# Altium PCB x_pmu_board.pcbdoc (part 1 of 3) (continued)
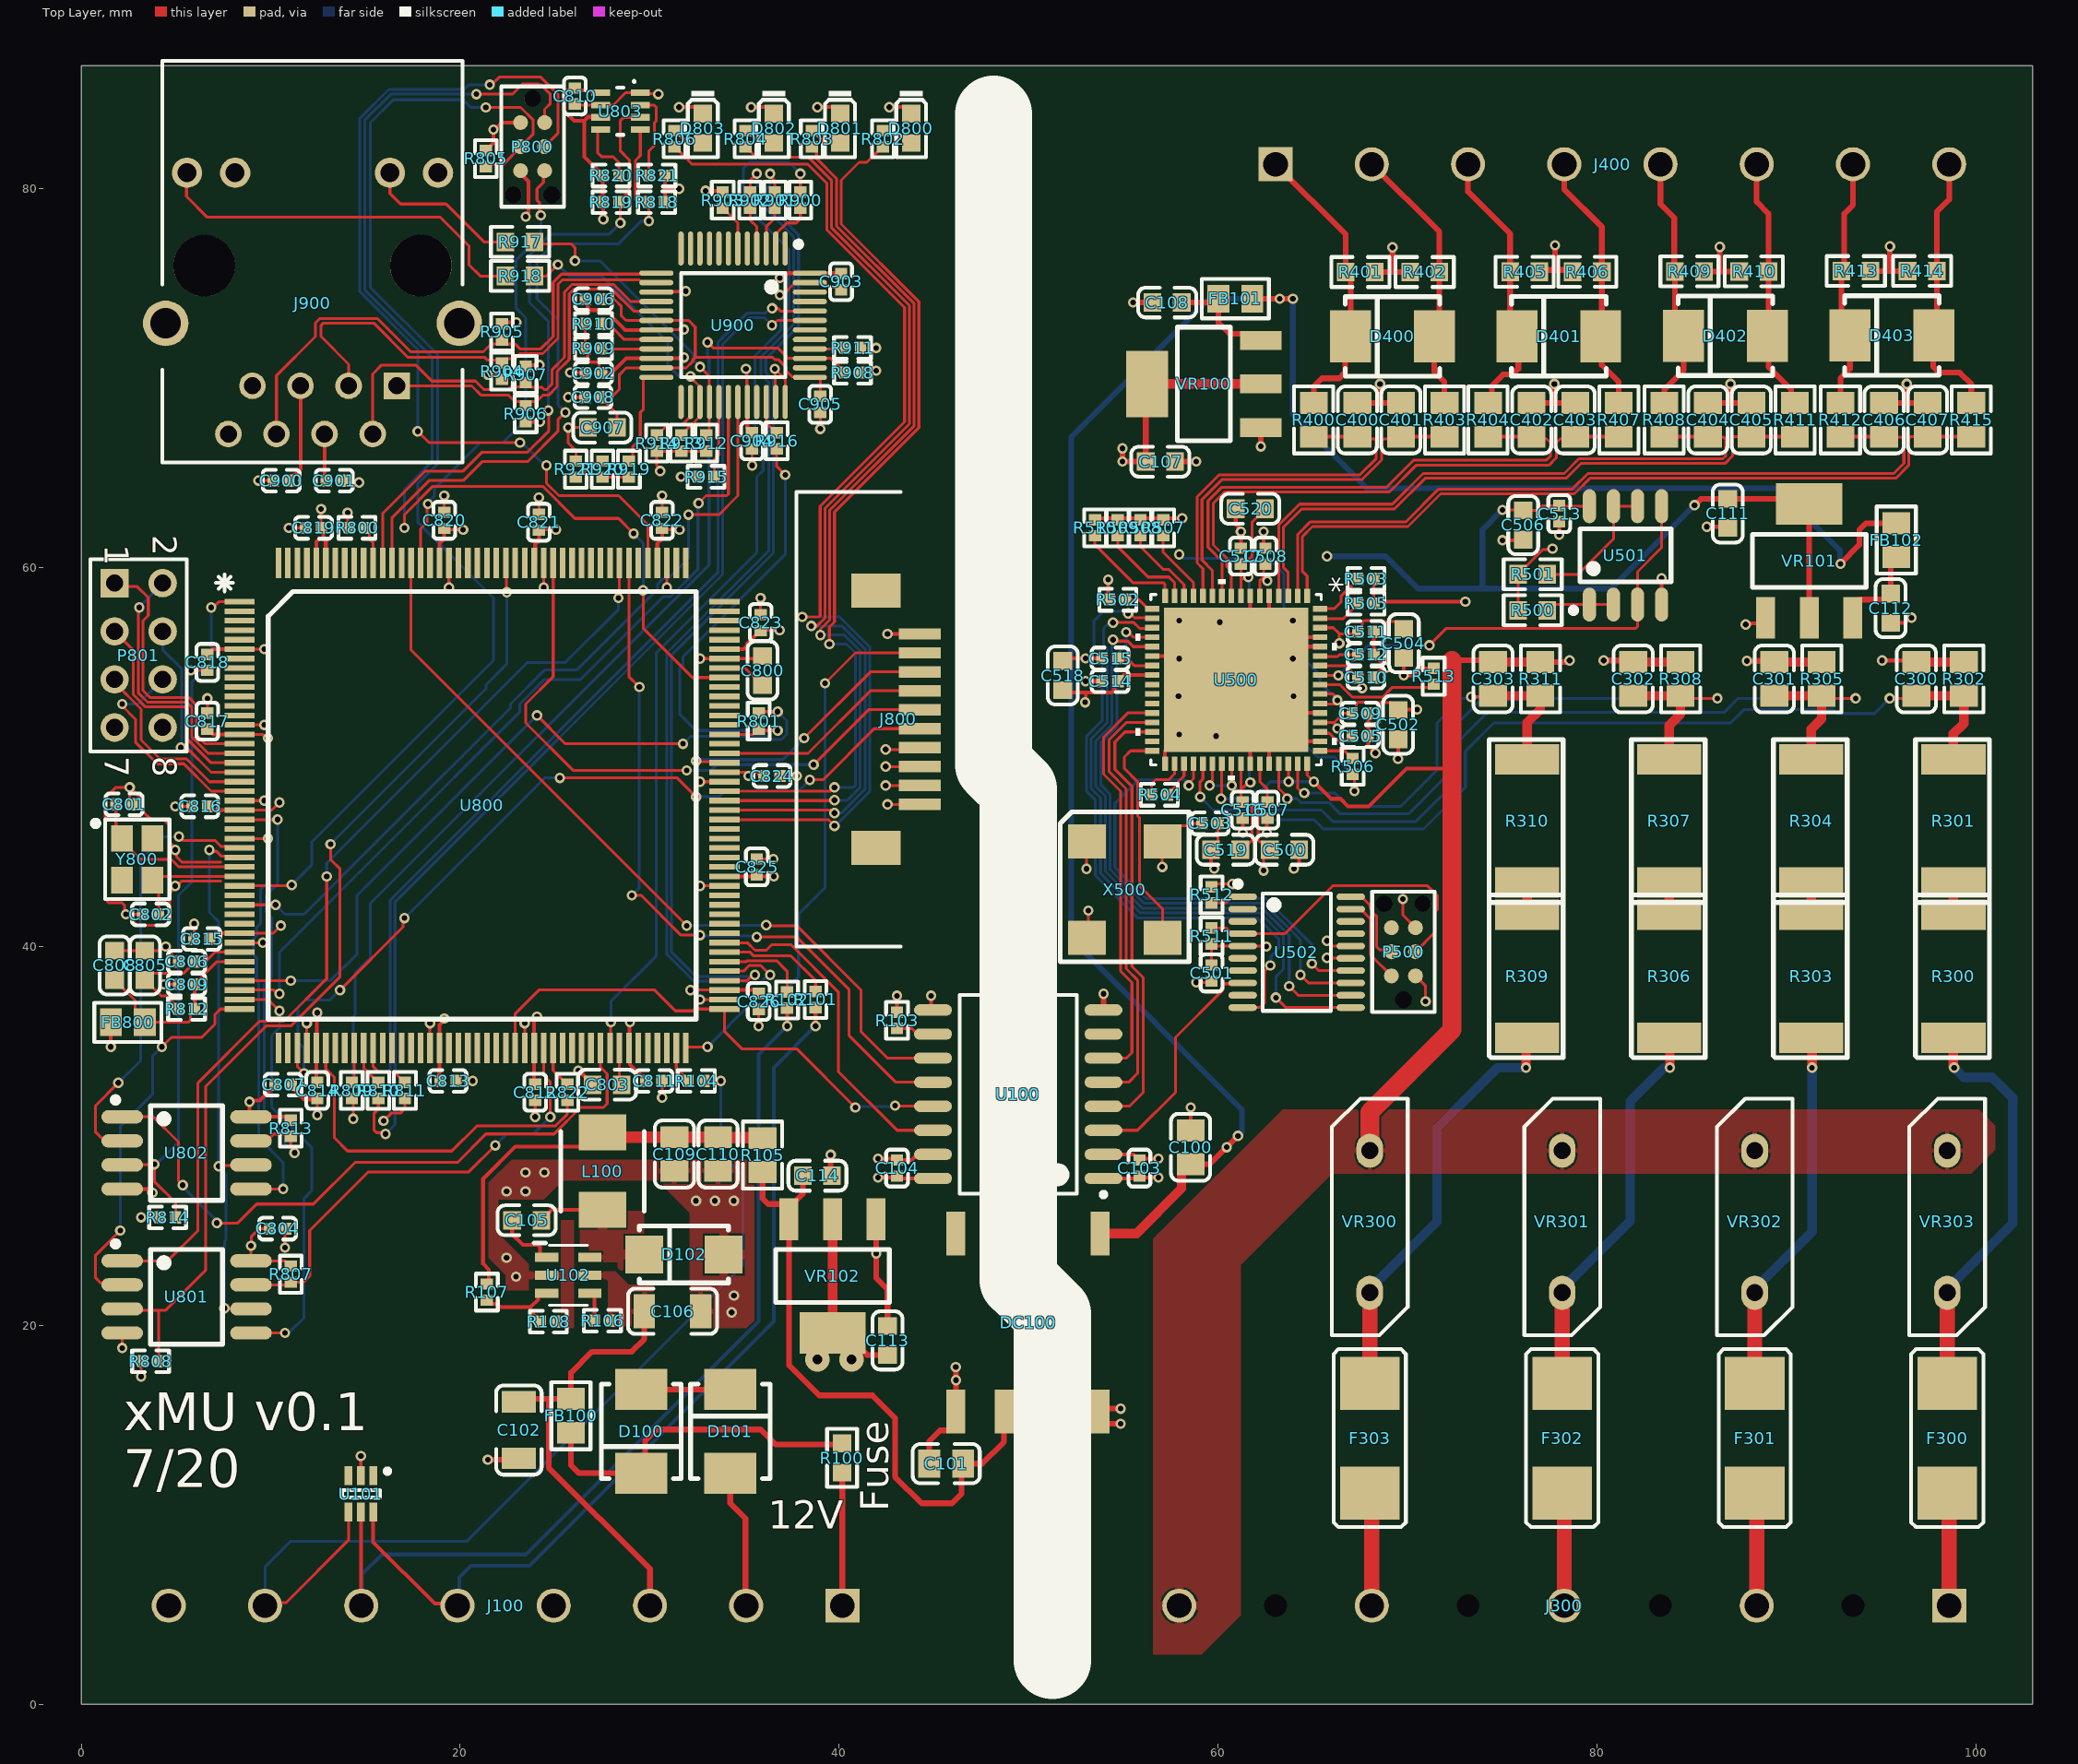
[diagram p0: Top Layer view]
## Design rules (kind name [scope] priority, off if disabled: settings)
BoardOutlineClearance [All] p1: gap=0.2 ignorepadtopadclearanceinfootprint=FALSE
Clearance Clearance_HV [InNetClass('HV')] p1: gap=1.5 ignorepadtopadclearanceinfootprint=FALSE
Clearance [All] p2: gap=0.102 ignorepadtopadclearanceinfootprint=FALSE except(0.127: Arc-Via Track-Via SMDPad-Via THPad-Via Via-Via Via-Fill Via-Poly Via-Region Via-Text; 0.25: Arc-Hole Track-Hole SMDPad-Hole THPad-Hole Via-Hole Fill-Hole Poly-Hole Region-Hole Text-Hole)
ComponentClearance [All] p1: gap=0.102 collisioncheckmode=3 verticalgap=0.102 showdistances=TRUE
DiffPairsRouting [All] p1: maxlimit=0.102 minlimit=0.102 mostfreqgap=0.102 toplayer_minwidth=0.102 toplayer_maxwidth=1816.048 toplayer_prefwidth=0.102 midlayer1_minwidth=0.102 midlayer1_maxwidth=1816.048 midlayer1_prefwidth=0.102 midlayer2_minwidth=0.102 midlayer2_maxwidth=1816.048 midlayer2_prefwidth=0.102 bottomlayer_minwidth=0.102 bottomlayer_maxwidth=1816.048 bottomlayer_prefwidth=0.102 maxuncoupledlength=12.7
Height [All] p1: minheight=0 maxheight=1816.048 prefheight=12.7
HoleSize [All] p1: absolutevalues=TRUE maxlimit=6.3 minlimit=0.2 maxpercent=80.000 minpercent=20.000
HoleToHoleClearance [All] p1: gap=0.25 allowstackedmicrovias=FALSE
MatchedLengths MatchedLengths_QSPI_FLASH [InNetClass('QSPI_FLASH')] p1: tolerance=0.5 checknetsindiffpair=FALSE checkdiffpairvsdiffpair=TRUE checkxsignals=TRUE checkothers=TRUE
MatchedLengths MatchedLengths_PSRAM [InNetClass('PSRAM')] p2: tolerance=0.5 checknetsindiffpair=FALSE checkdiffpairvsdiffpair=TRUE checkxsignals=TRUE checkothers=TRUE
MatchedLengths MatchedLengths_FPGA_SPI [InNetClass('FPGA_Main_SPI')] p3: tolerance=0.5 checknetsindiffpair=FALSE checkdiffpairvsdiffpair=TRUE checkxsignals=TRUE checkothers=TRUE
MatchedLengths MatchedLengths_ADC_DOUT [InNetClass('PSRAM')] p4: tolerance=0.5 checknetsindiffpair=FALSE checkdiffpairvsdiffpair=TRUE checkxsignals=TRUE checkothers=TRUE
MinimumAnnularRing [All] p1: minimumring=0.076
MinimumSolderMaskSliver [All] p1: minsoldermaskwidth=0
PlaneClearance [All] p1: clearance=0.102
PlaneConnect PlaneConnectPowerPads [InPadClass('PowerPads')] p1: planeconnectstyle=Direct reliefexpansion=0.508 reliefentries=4 reliefconductorwidth=0.254 reliefairgap=0.254
PlaneConnect [All] p2: pad.planeconnectstyle=Relief pad.reliefexpansion=0.3 pad.reliefentries=4 pad.reliefconductorwidth=0.102 pad.reliefairgap=0.102 via.planeconnectstyle=Direct via.reliefexpansion=0.3 via.reliefentries=4 via.reliefconductorwidth=0.127 via.reliefairgap=0.127
PolygonConnect PolygonConnectPowerPads [All vs IsPad AND (AsMils(PadXSize_AllLayers) > 60) AND (AsMils(PadYSize_AllLayers) > 60)] p1: connectstyle=Relief reliefconductorwidth=0.5 reliefentries=4 polygonreliefangle="90 Angle" airgapwidth=0.102
PolygonConnect [All] p2: thpad.connectstyle=Relief thpad.reliefconductorwidth=0.254 thpad.reliefentries=4 thpad.polygonreliefangle="90 Angle" thpad.airgapwidth=0.102 smdpad.connectstyle=Relief smdpad.reliefconductorwidth=0.254 smdpad.reliefentries=4 smdpad.polygonreliefangle="90 Angle" smdpad.airgapwidth=0.102 via.connectstyle=Direct via.reliefconductorwidth=0.127 via.reliefentries=4 via.polygonreliefangle="90 Angle" via.airgapwidth=0.127
RoutingVias [All] p1: holewidth=0.2 width=0.45 viastyle="Through Hole" minholewidth=0.2 minwidth=0.45 maxholewidth=6.3 maxwidth=6.55
SilkToSilkClearance [All] p1: silktosilkclearance=0
SilkToSolderMaskClearance [IsPad] p1: minsilkscreentomaskgap=0.102 clearancetoexposedcopper=TRUE
SolderMaskExpansion [All] p1: expansion=0.075 istentingtop=FALSE
Width [All] p1: maxlimit=1816.048 minlimit=0.102 preferedwidth=0.102
20 further rules are at their usual default settings.

## Classes and differential pairs
net class HV: Line-L1 Line-L2 Line-L3 Line-Neu
component class "[10] - Isolation": C100 C101 C102 C103 C104 C105 C106 C107 C108 C109 C110 C111 C112 C113 C114 D100 D101 D102 DC100 FB100 FB101 FB102 J100 L100 R100 R101 R102 R103 R104 R105 R106 R107 R108 U2 U100 U101 U102 VR100 VR101 VR102
component class "[09] - Ethernet": C900 C901 C902 C903 C904 C905 C906 C907 C908 J900 R900 R901 R902 R903 R904 R905 R906 R907 R908 R909 R910 R911 R912 R913 R914 R915 R916 R917 R918 R919 R920 R921 U900
component class "[08] - Microcontroller": C800 C801 C802 C803 C804 C805 C806 C807 C808 C809 C810 C811 C812 C813 C814 C815 C816 C817 C818 C819 C820 C821 C822 C823 C824 C825 C826 D800 D801 D802 D803 FB800 J800 P800 P801 R800 R801 R802 R803 R804 R805 R806 R807 R808 R809 R810 R811 R812 R813 R814 R818 R819 R820 R821 R822 U800 U801 U802 U803 Y800
component class "[05] - ADC": C500 C501 C502 C503 C504 C505 C506 C507 C508 C509 C510 C511 C512 C513 C514 C515 C516 C517 C518 C519 C520 P500 R500 R501 R502 R503 R504 R505 R506 R507 R508 R509 R510 R511 R512 R513 U500 U501 U502 X500
component class "[04] - Current Transformers": C400 C401 C402 C403 C404 C405 C406 C407 D400 D401 D402 D403 J400 R400 R401 R402 R403 R404 R405 R406 R407 R408 R409 R410 R411 R412 R413 R414 R415
component class "[03] - HV Input": C300 C301 C302 C303 F300 F301 F302 F303 J300 R300 R301 R302 R303 R304 R305 R306 R307 R308 R309 R310 R311 VR300 VR301 VR302 VR303

## Components (designator, comment, footprint, x,y, rotation, side; value= is the part's Value field where it differs from the comment)
C100 "100nF(104) 10% 50V" 0805_C 58.555,29.4 r270 top
C101 "100nF(104) 10% 50V" 0805_C 45.655,12.7 r0 top
C102 "10uF (106) 10% 50V" 1206_C 23.095,14.47 r90 top
C103 "100nF (104) 10% 16V" 0402_C 55.855,28.3 r270 top
C104 "100nF (104) 10% 16V" 0402_C 43.055,28.3 r270 top
C105 "100nF (104) 10% 50V" 0603_C 23.508,25.542 r180 top
C106 "4.7uF (475) 10% 50V" 1206_C 31.208,20.742 r180 top
C107 "1uF (105) 10% 50V" 0603_C 56.955,65.6 r180 top
C108 "100nF (104) 10% 50V" 0603_C 57.315,74 r0 top
C109 "10uF (106) 10% 25V" 0805_C 31.308,29.042 r90 top
C110 "10uF (106) 10% 25V" 0805_C 33.608,29.042 r90 top
C111 "1uF (105) 10% 50V" 0603_C 86.905,62.86 r90 top
C112 "100nF (104) 10% 50V" 0603_C 95.505,57.86 r90 top
C113 "1uF (105) 10% 50V" 0603_C 42.555,19.2 r270 top
C114 "100nF (104) 10% 50V" 0603_C 38.855,27.9 r180 top
C300 "10nF (103) 10% 50V" 0805_C 96.865,54.125 r270 top
C301 "10nF (103) 10% 50V" 0805_C 89.365,54.125 r270 top
C302 "10nF (103) 10% 50V" 0805_C 81.915,54.125 r270 top
C303 "10nF (103) 10% 50V" 0805_C 74.515,54.125 r270 top
C400 "10nF (103) 10% 50V" 0805_C 67.355,67.8 r270 top
C401 "10nF (103) 10% 50V" 0805_C 69.655,67.8 r90 top
C402 "10nF (103) 10% 50V" 0805_C 76.555,67.8 r270 top
C403 "10nF (103) 10% 50V" 0805_C 78.855,67.8 r90 top
C404 "10nF (103) 10% 50V" 0805_C 85.855,67.8 r270 top
C405 "10nF (103) 10% 50V" 0805_C 88.155,67.8 r90 top
C406 "10nF (103) 10% 50V" 0805_C 95.155,67.8 r270 top
C407 "10nF (103) 10% 50V" 0805_C 97.455,67.8 r90 top
C500 "1uF (105) 10% 50V" 0603_C 63.505,45.107 r0 top
C501 "100nF (104) 10% 16V" 0402_C 59.655,38.6 r90 top
C502 "1uF (105) 10% 50V" 0603_C 69.505,51.707 r270 top
C503 "100nF (104) 10% 16V" 0402_C 59.58,46.5 r180 top
C504 "1uF (105) 10% 50V" 0603_C 69.805,56.007 r270 top
C505 "100nF (104) 10% 16V" 0402_C 67.505,51.107 r180 top
C506 "1uF (105) 10% 50V" 0603_C 76.11,62.25 r270 top
C507 "100nF (104) 10% 16V" 0402_C 62.605,47.207 r270 top
C508 "100nF (104) 10% 16V" 0402_C 62.505,60.607 r270 top
C509 "100nF (104) 10% 16V" 0402_C 67.505,52.307 r0 top
C510 "100nF (104) 10% 16V" 0402_C 67.805,54.207 r180 top
C511 "100nF (104) 10% 16V" 0402_C 67.805,56.607 r0 top
C512 "100nF (104) 10% 16V" 0402_C 67.805,55.407 r180 top
C513 "100nF (104) 10% 16V" 0402_C 78.01,62.85 r270 top
C514 "100nF (104) 10% 16V" 0402_C 54.305,54.007 r180 top
C515 "100nF (104) 10% 16V" 0402_C 54.305,55.207 r0 top
C516 "100nF (104) 10% 16V" 0402_C 61.305,47.207 r270 top
C517 "100nF (104) 10% 16V" 0402_C 61.205,60.607 r270 top
C518 "1uF (105) 10% 50V" 0603_C 51.805,54.307 r90 top
C519 "1uF (105) 10% 50V" 0603_C 60.405,45.107 r180 top
C520 "1uF (105) 10% 50V" 0603_C 61.705,63.107 r0 top
C800 "2.2uF (225) 10% 16V" 0603_C 35.955,54.57 r90 top
C801 "15pF (150) 5% 50V" 0402_C 2.255,47.5 r180 top
C802 "15pF (150) 5% 50V" 0402_C 3.655,41.7 r0 top
C803 "2.2uF (225) 10% 16V" 0603_C 27.755,32.7 r180 top
C804 "100nF (104) 10% 16V" 0402_C 10.355,25.1 r180 top
C805 "1uF (105) 10% 50V" 0603_C 3.355,39 r270 top
C806 "100nF (104) 10% 16V" 0402_C 5.555,39.2 r0 top
C807 "100nF (104) 10% 16V" 0402_C 10.655,32.7 r180 top
C808 "1uF (105) 10% 50V" 0603_C 1.755,39 r90 top
C809 "100nF (104) 10% 16V" 0402_C 5.555,38 r180 top
C810 "100nF (104) 10% 16V" 0402_C 26.055,84.9 r90 top
C811 "100nF (104) 10% 16V" 0402_C 30.23,32.9 r180 top
C812 "100nF (104) 10% 16V" 0402_C 23.955,32.3 r90 top
C813 "100nF (104) 10% 16V" 0402_C 19.355,32.9 r180 top
C814 "100nF (104) 10% 16V" 0402_C 12.455,32.4 r90 top
C815 "100nF (104) 10% 16V" 0402_C 6.355,40.4 r0 top
C816 "100nF (104) 10% 16V" 0402_C 6.255,47.4 r0 top
C817 "100nF (104) 10% 16V" 0402_C 6.655,51.9 r270 top
C818 "100nF (104) 10% 16V" 0402_C 6.655,55 r90 top
C819 "100nF (104) 10% 16V" 0402_C 12.255,62.1 r0 top
C820 "100nF (104) 10% 16V" 0402_C 19.155,62.5 r270 top
C821 "100nF (104) 10% 16V" 0402_C 24.155,62.4 r270 top
C822 "100nF (104) 10% 16V" 0402_C 30.655,62.5 r270 top
C823 "100nF (104) 10% 16V" 0402_C 35.855,57.1 r270 top
C824 "100nF (104) 10% 16V" 0402_C 36.455,49 r180 top
C825 "100nF (104) 10% 16V" 0402_C 35.655,44.2 r270 top
C826 "100nF (104) 10% 16V" 0402_C 35.755,37.1 r90 top
C900 "100nF (104) 10% 16V" 0402_C 10.555,64.6 r0 top
C901 "100nF (104) 10% 16V" 0402_C 13.355,64.6 r180 top
C902 "100nF (104) 10% 16V" 0402_C 27.03,70.275 r0 top
C903 "100nF (104) 10% 16V" 0402_C 40.105,75.1 r90 top
C904 "100nF (104) 10% 16V" 0402_C 35.405,66.7 r90 top
C905 "100nF (104) 10% 16V" 0402_C 39.005,68.625 r90 top
C906 "100nF (104) 10% 16V" 0402_C 27.03,74.175 r0 top
C907 "10uF (106) 10% 10V" 0603_C 27.505,67.4 r0 top
C908 "100nF (104) 10% 16V" 0402_C 27.005,69 r0 top
D100 "P6SMB6.8CA" SMB(DO-214AA)_S1 29.555,14.4 r90 top
D101 "P6SMB6.8CA" SMB(DO-214AA)_S1 34.255,14.4 r270 top
D102 "SS54" SMA(DO-214AC)_S1 31.808,23.742 r0 top
D400 "P6SMB6.8CA" SMB(DO-214AA)_S1 69.21,72.21 r0 top
D401 "P6SMB6.8CA" SMB(DO-214AA)_S1 77.99,72.22 r0 top
D402 "P6SMB6.8CA" SMB(DO-214AA)_S1 86.785,72.24 r0 top
D403 "P6SMB6.8CA" SMB(DO-214AA)_S1 95.57,72.26 r0 top
D800 "红灯 0603" 0603_LED_S1 43.805,83.2 r270 top
D801 "红灯 0603" 0603_LED_S1 40.055,83.2 r270 top
D802 "绿灯 0603" 0603_LED_S1 36.555,83.2 r270 top
D803 "绿灯 0603" 0603_LED_S1 32.805,83.2 r270 top
DC100 "5V to 5V 3kVDC Isolated converter" NXE1S0505MC-R7 46.165,15.45 r0 top
F300 "AF2-0.50V125TM" "2410 Fuse" 98.49,14.04 r90 top
F301 "AF2-0.50V125TM" "2410 Fuse" 88.33,14.04 r90 top
F302 "AF2-0.50V125TM" "2410 Fuse" 78.17,14.04 r90 top
F303 "AF2-0.50V125TM" "2410 Fuse" 68.01,14.04 r90 top
FB100 "100Ω ±25% 100MHz" 0805_L 25.845,15.22 r270 top
FB101 "600Ω ±25% 100MHz" 0805_L 60.915,74.2 r180 top
FB102 "600Ω ±25% 100MHz" 0805_L 95.805,61.46 r270 top
FB800 "600Ω ±25% 100MHz" 0805_L 2.455,36 r0 top
J100 "CN-2P-F-R_8" PHOE-8way 22.395,5.2 r180 top
J300 "CN-2P-F-R" PHOE-1729128-2_V 80.815,5.2 r180 top locked
J400 "CN-2P-F-R_8" PHOE-8way 80.815,81.3 r0 top locked
J800 "10pin 10mm FFC" AFA07-S10FCC-00 44.255,47.5 r90 top
J900 "HR913550A" "RJ45 MagJack" 12.205,75.95 r0 top
L100 "MWSA0518S-6R8MT" MWSA0518 27.508,28.142 r90 top value=6.8uH
P500 "tag_connect_TC2030" TC2030-MCP-NL#1 69.79,37.18 r90 top
P800 "tag_connect_TC2030" TC2030-MCP-NL#2 23.82,84.77 r270 top
P801 "DebugIO" HDR2X4 1.755,59.18 r270 top
R100 "0Ω (0R0) ±1%" 0603_R 40.155,13 r270 top
R101 "49.9Ω (49R9) ±1%" 0402_R 38.755,37.2 r270 top
R102 "49.9Ω (49R9) ±1%" 0402_R 37.255,37.175 r270 top
R103 "1KΩ (1001) ±1%" 0402_R 43.055,36.1 r90 top
R104 "49.9Ω (49R9) ±1%" 0402_R 32.455,32.9 r0 top
R105 "0Ω (0R0) ±1%" 0805_R 35.955,28.99 r270 top
R106 "100KΩ (1003) ±1%" 0402_R 27.508,20.242 r0 top
R107 "49.9KΩ (4992) ±1%" 0402_R 21.408,21.752 r90 top
R108 "10KΩ (1002) ±1%" 0402_R 24.655,20.2 r0 top
R300 "560k" 2512_HV_RES 98.815,38.425 r90 top
R301 "560k" 2512_HV_RES 98.815,46.625 r90 top
R302 "2KΩ (2001) ±1%" 0805_R 99.365,54.125 r270 top
R303 "560k" 2512_HV_RES 91.315,38.425 r90 top
R304 "560k" 2512_HV_RES 91.315,46.625 r90 top
R305 "2KΩ (2001) ±1%" 0805_R 91.865,54.125 r270 top
R306 "560k" 2512_HV_RES 83.815,38.425 r90 top
R307 "560k" 2512_HV_RES 83.815,46.625 r90 top
R308 "2KΩ (2001) ±1%" 0805_R 84.415,54.125 r270 top
R309 "560k" 2512_HV_RES 76.315,38.425 r90 top
R310 "560k" 2512_HV_RES 76.315,46.625 r90 top
R311 "2KΩ (2001) ±1%" 0805_R 77.015,54.125 r270 top
R400 "2KΩ (2001) ±1%" 0805_R 65.055,67.8 r90 top
R401 "33Ω (33R0) ±1%" 0603_R 67.51,75.61 r180 top
R402 "33Ω (33R0) ±1%" 0603_R 70.91,75.61 r180 top
R403 "2KΩ (2001) ±1%" 0805_R 71.955,67.8 r90 top
R404 "2KΩ (2001) ±1%" 0805_R 74.255,67.8 r90 top
R405 "33Ω (33R0) ±1%" 0603_R 76.19,75.62 r180 top
R406 "33Ω (33R0) ±1%" 0603_R 79.49,75.62 r180 top
R407 "2KΩ (2001) ±1%" 0805_R 81.155,67.8 r90 top
R408 "2KΩ (2001) ±1%" 0805_R 83.555,67.8 r90 top
R409 "33Ω (33R0) ±1%" 0603_R 84.885,75.64 r180 top
R410 "33Ω (33R0) ±1%" 0603_R 88.285,75.64 r180 top
R411 "2KΩ (2001) ±1%" 0805_R 90.455,67.8 r90 top
R412 "2KΩ (2001) ±1%" 0805_R 92.855,67.8 r90 top
R413 "33Ω (33R0) ±1%" 0603_R 93.67,75.66 r180 top
R414 "33Ω (33R0) ±1%" 0603_R 97.17,75.66 r180 top
R415 "2KΩ (2001) ±1%" 0805_R 99.755,67.8 r90 top
R500 "47Ω (47R0) ±1%" 0603_R 76.61,57.75 r180 top
R501 "47Ω (47R0) ±1%" 0603_R 76.61,59.65 r180 top
R502 "1KΩ (1001) ±1%" 0402_R 54.705,58.307 r180 top
R503 "1KΩ (1001) ±1%" 0402_R 67.805,59.407 r180 top
R504 "0Ω (0R0) ±1%" 0402_R 56.905,48.007 r0 top
R505 "1KΩ (1001) ±1%" 0402_R 67.805,58.107 r180 top
R506 "0Ω (0R0) ±1%" 0402_R 67.105,49.507 r90 top
R507 "1KΩ (1001) ±1%" 0402_R 57.105,62.107 r90 top
R508 "1KΩ (1001) ±1%" 0402_R 55.905,62.107 r90 top
R509 "1KΩ (1001) ±1%" 0402_R 54.705,62.107 r90 top
R510 "1KΩ (1001) ±1%" 0402_R 53.505,62.107 r90 top
R511 "1KΩ (1001) ±1%" 0402_R 59.655,40.55 r270 top
R512 "1KΩ (1001) ±1%" 0402_R 59.655,42.725 r270 top
R513 "1KΩ (1001) ±1%" 0402_R 71.385,54.27 r90 top
R800 "1KΩ (1001) ±1%" 0402_R 14.555,62.1 r180 top
R801 "0Ω (0R0) ±1%" 0402_R 35.755,51.9 r90 top
R802 "150Ω (1500) ±1%" 0402_R 42.305,82.64 r270 top
R803 "150Ω (1500) ±1%" 0402_R 38.555,82.64 r270 top
R804 "150Ω (1500) ±1%" 0402_R 35.055,82.64 r270 top
R805 "4.7KΩ (4701) ±1%" 0402_R 21.355,81.6 r90 top
R806 "150Ω (1500) ±1%" 0402_R 31.305,82.64 r270 top
R807 "4.7KΩ (4701) ±1%" 0402_R 11.055,22.7 r90 top
R808 "4.7KΩ (4701) ±1%" 0402_R 3.655,18.1 r0 top
R809 "49.9Ω (49R9) ±1%" 0402_R 14.28,32.4 r90 top
R810 "49.9Ω (49R9) ±1%" 0402_R 15.68,32.4 r90 top
R811 "49.9Ω (49R9) ±1%" 0402_R 17.08,32.4 r90 top
R812 "47Ω (47R0) ±1%" 0402_R 5.555,36.7 r180 top
R813 "4.7KΩ (4701) ±1%" 0402_R 11.055,30.4 r90 top
R814 "4.7KΩ (4701) ±1%" 0402_R 4.555,25.7 r0 top
R818 "4.7KΩ (4701) ±1%" 0402_R 30.362,79.3 r180 top
R819 "4.7KΩ (4701) ±1%" 0402_R 27.955,79.3 r0 top
R820 "4.7KΩ (4701) ±1%" 0402_R 27.955,80.7 r0 top
R821 "4.7KΩ (4701) ±1%" 0402_R 30.38,80.7 r180 top
R822 "0Ω (0R0) ±1%" 0402_R 25.655,32.3 r90 top
R900 "49.9Ω (49R9) ±1%" 0402_R 37.955,79.4 r270 top
R901 "49.9Ω (49R9) ±1%" 0402_R 36.605,79.4 r270 top
R902 "49.9Ω (49R9) ±1%" 0402_R 35.305,79.4 r270 top
R903 "1KΩ (1001) ±1%" 0402_R 33.855,79.4 r270 top
R904 "49.9Ω (49R9) ±1%" 0402_R 22.205,70.375 r270 top
R905 "49.9Ω (49R9) ±1%" 0402_R 22.205,72.45 r90 top
R906 "49.9Ω (49R9) ±1%" 0402_R 23.455,68.125 r270 top
R907 "49.9Ω (49R9) ±1%" 0402_R 23.455,70.2 r90 top
R908 "1KΩ (1001) ±1%" 0402_R 40.705,70.3 r180 top
R909 "2.2KΩ (2201) ±1%" 0402_R 27.03,71.575 r180 top
R910 "2.2KΩ (2201) ±1%" 0402_R 27.03,72.875 r180 top
R911 "1KΩ (1001) ±1%" 0402_R 40.705,71.6 r180 top
R912 "2.2KΩ (2201) ±1%" 0402_R 32.98,66.575 r270 top
R913 "2.2KΩ (2201) ±1%" 0402_R 31.68,66.575 r270 top
R914 "2.2KΩ (2201) ±1%" 0402_R 30.38,66.575 r270 top
R915 "1KΩ (1001) ±1%" 0402_R 32.98,64.8 r0 top
R916 "49.9Ω (49R9) ±1%" 0402_R 36.705,66.7 r90 top
R917 "330Ω (3300) ±1%" 0603_R 23.155,77.2 r180 top
R918 "330Ω (3300) ±1%" 0603_R 23.155,75.4 r180 top
R919 "2.2KΩ (2201) ±1%" 0402_R 28.905,65.2 r90 top
R920 "2.2KΩ (2201) ±1%" 0402_R 27.505,65.2 r270 top
R921 "470Ω (4700) ±1%" 0402_R 26.105,65.2 r270 top
U100 "ADUM1400BRWZ" ADI-RW-16_L 49.455,32.2 r180 top
U101 "SMF05CT1G" SC-70-6(SOT-363) 14.755,11.1 r270 top
U102 "STEP-DOWN CONVERTER" *TSOT-23_S6 25.708,22.642 r0 top
U500 "AD7779" CP_64_15 60.955,54.08 r270 top
U501 "MCP6002T-I/SN" SOIC-8_150mil 81.51,60.65 r0 top
U502 "STM32F030F4P6" TSSOP-20 64.155,39.7 r270 top
U800 "STM32H743IIT6" Quad176 8.555,58.2 r0 top
U801 "W25Q128JVSIQTR" SOIC-8_208mil 5.555,21.5 r270 top
U802 "W25Q128JVSIQTR" SOIC-8_208mil 5.555,29.1 r270 top
U803 "BMP280" BOSC-LGA-8_V_LARGE 28.455,84.1 r270 top
U900 "DP83848CVVX" LQFP-48_7x7x05P 34.405,72.8 r180 top
VR100 "AMS1117-3.3" SOT-223 59.255,69.7 r0 top
VR101 "AMS1117-3.3" SOT-223 91.205,60.36 r270 top
VR102 "AMS1117-3.3" SOT-223 39.655,22.6 r90 top
VR300 "VDR-10D561K(11D)" VDR-10D561K(11D) 68.01,25.47 r270 top
VR301 "VDR-10D561K(11D)" VDR-10D561K(11D) 78.17,25.47 r270 top
VR302 "VDR-10D561K(11D)" VDR-10D561K(11D) 88.33,25.47 r270 top
VR303 "VDR-10D561K(11D)" VDR-10D561K(11D) 98.49,25.47 r270 top
X500 "8.192MHZ" "7050 Clock" 55.075,43 r270 top
Y800 "25MHZ 12PF 10PPM" SMD-3225_4P 2.955,44.6 r270 top

## Footprints (in the part's own frame and the unit in brackets; to place one, negate y for a bottom-side part, rotate by r counter-clockwise, add the part's x,y. Pads: shape width x height; smd on the part's side, far side on the other; paste and mask are expansions set on the pad)
0402_C [mm]
  rect 0.6x0.65 smd mask+0.051: 1(-0.425,0) 2(0.425,0)
  silkscreen extent -0.97,-0.58 0.97,0.58, body extent -0.48,-0.3 0.52,0.3, height 0.2
0402_R [mm]
  rect 0.6x0.65 smd mask+0.051: 1(-0.425,0) 2(0.425,0)
  silkscreen extent -0.97,-0.58 0.97,0.58, body extent -0.57,-0.27 0.58,0.28, height 0.41
0603_C [mm]
  rect 0.93x0.98 smd: 1(-0.77,0) 2(0.77,0)
  silkscreen extent -1.53,-0.79 1.54,0.79, body extent -0.8,-0.4 0.8,0.4, height 0.3
0603_LED_S1 [mm]
  rect 0.93x0.98 smd: A(0.77,0) K(-0.77,0)
  silkscreen extent -1.98,-0.79 1.54,0.79, body extent -0.8,-0.4 0.8,0.4, height 0.6
0603_R [mm]
  rect 0.93x0.98 smd: 1(-0.77,0) 2(0.77,0)
  silkscreen extent -1.53,-0.79 1.54,0.79, body extent -0.85,-0.4 0.85,0.4, height 0.56
0805_C [mm]
  rect 1.16x1.47 smd: 1(-0.89,0) 2(0.89,0)
  silkscreen extent -1.77,-1.04 1.77,1.04, body extent -1,-0.62 1,0.63, height 0.77
0805_L [mm]
  rect 1.16x1.47 smd: 1(-0.89,0) 2(0.89,0)
  silkscreen extent -1.77,-1.04 1.77,1.03, body extent -1.02,-0.64 1.03,0.64, height 0.6
0805_R [mm]
  rect 1.16x1.47 smd: 1(-0.89,0) 2(0.89,0)
  silkscreen extent -1.77,-1.04 1.77,1.03, body extent -1,-0.62 1,0.63, height 0.49
1206_C [mm]
  rect 1.13x1.8 smd: 1(-1.49,0) 2(1.49,0)
  silkscreen extent -2.36,-1.2 2.35,1.2, body extent -1.6,-0.81 1.6,0.79, height 1
"2410 Fuse" [mm]
  rect 2.8x3.15 smd: 1(-2.9,0) 2(2.9,0)
  silkscreen extent -4.7,-1.91 4.7,1.91, body extent -3.05,-1.27 3.05,1.27, height 2.58
2512_HV_RES [mm]
  rect 1.6x3.4 smd: 1(-3.25,0) 2(3.25,0)
  silkscreen extent -4.3,-1.9 4.3,2, body extent -3.13,-1.58 3.17,1.57, height 0.67
"7050 Clock" [mm]
  rect 1.8x2 smd: 1(-2.54,-2) 2(2.54,-2) 3(2.54,2) 4(-2.54,2)
  silkscreen extent -4.1,-3.4 3.8,3.4, body extent -3.5,-2.55 3.5,2.55, height 1.3
*TSOT-23_S6 [mil]
  rect 48x20 smd: 1(-45,37.4) 2(-45,0) 3(-45,-37.4) 4(45,-37.4) 5(45,0) 6(45,37.4)
  silkscreen extent -71,-62 40,67, body extent -47,-55 48,55, height 43
ADI-RW-16_L [mm] "SOIC, 16-Leads, Body 10.3x7.5mm, Pitch 1.27mm, IPC High Density"
  oval 2x0.6 smd: 1(-4.5,4.445) 2(-4.5,3.175) 3(-4.5,1.905) 4(-4.5,0.635) 5(-4.5,-0.635) 6(-4.5,-1.905) 7(-4.5,-3.175) 8(-4.5,-4.445) 9(4.5,-4.445) 10(4.5,-3.175) 11(4.5,-1.905) 12(4.5,-0.635) 13(4.5,0.635) 14(4.5,1.905) 15(4.5,3.175) 16(4.5,4.445)
  silkscreen extent -4.63,-5.25 3.1,5.42, body extent -3.8,-5.25 3.8,5.25, height 2.65
AFA07-S10FCC-00 [mm] "10pin 1.0mm FFC Connector"
  rect 0.6x2.2 smd: 1(0,0) 2(1,0) 3(2,0) 4(3,0) 5(4,0) 6(5,0) 7(6,0) 8(7,0) 9(8,0) 10(9,0)
  rect 1.8x2.6 smd: 11(-2.3,2.3) 12(11.3,2.3)
  silkscreen extent -7.5,1 16.5,6.5
BOSC-LGA-8_V_LARGE [mm] "LGA, 8-Leads, Body 2.5x2mm, Pitch 0.65mm"
  rect 0.35x1 smd: 1(-0.975,1.05) 2(-0.325,1.05) 3(0.325,1.05) 4(0.975,1.05) 5(0.975,-1.05) 6(0.325,-1.05) 7(-0.325,-1.05) 8(-0.975,-1.05)
  silkscreen extent -1.64,-0.16 1.25,0.79, body extent -1.25,-1 1.25,1, height 1
CP_64_15 [mm]
  rect 0.755x0.3 smd: 1(-4.427,3.75) 2(-4.427,3.25) 3(-4.427,2.75) 4(-4.427,2.25) 5(-4.427,1.75) 6(-4.427,1.25) 7(-4.427,0.75) 8(-4.427,0.25) 9(-4.427,-0.25) 10(-4.427,-0.75) 11(-4.427,-1.25) 12(-4.427,-1.75) 13(-4.427,-2.25) 14(-4.427,-2.75) 15(-4.427,-3.25) 16(-4.427,-3.75) 33(4.427,-3.75) 34(4.427,-3.25) 35(4.427,-2.75) 36(4.427,-2.25) 37(4.427,-1.75) 38(4.427,-1.25) 39(4.427,-0.75) 40(4.427,-0.25) 41(4.427,0.25) 42(4.427,0.75) 43(4.427,1.25) 44(4.427,1.75) 45(4.427,2.25) 46(4.427,2.75) 47(4.427,3.25) 48(4.427,3.75)
  rect 0.3x0.755 smd: 17(-3.75,-4.427) 18(-3.25,-4.427) 19(-2.75,-4.427) 20(-2.25,-4.427) 21(-1.75,-4.427) 22(-1.25,-4.427) 23(-0.75,-4.427) 24(-0.25,-4.427) 25(0.25,-4.427) 26(0.75,-4.427) 27(1.25,-4.427) 28(1.75,-4.427) 29(2.25,-4.427) 30(2.75,-4.427) 31(3.25,-4.427) 32(3.75,-4.427) 49(3.75,4.427) 50(3.25,4.427) 51(2.75,4.427) 52(2.25,4.427) 53(1.75,4.427) 54(1.25,4.427) 55(0.75,4.427) 56(0.25,4.427) 57(-0.25,4.427) 58(-0.75,4.427) 59(-1.25,4.427) 60(-1.75,4.427) 61(-2.25,4.427) 62(-2.75,4.427) 63(-3.25,4.427) 64(-3.75,4.427)
  rect 7.6x7.6 smd paste-3.787: 65(0,0)
  silkscreen extent -5.31,-5.31 5.31,5.31, body extent 0,0 0.25,0.25, height 0.25
HDR2X4 [mm] "Connector; Header; 4x2 Position"
  rect 1.5x1.5 hole 0.9: 1(0,0)
  round 1.5 hole 0.9: 2(0,2.54) 3(2.54,0) 4(2.54,2.54) 5(5.08,0) 6(5.08,2.54) 7(7.62,0) 8(7.62,2.54)
  silkscreen extent -1.27,-1.27 8.89,3.81
LQFP-48_7x7x05P [mm]
  oval 0.28x1.8 smd mask+0.051: 1(-2.75,-4.05) 2(-2.25,-4.05) 3(-1.75,-4.05) 4(-1.25,-4.05) 5(-0.75,-4.05) 6(-0.25,-4.05) 7(0.25,-4.05) 8(0.75,-4.05) 9(1.25,-4.05) 10(1.75,-4.05) 11(2.25,-4.05) 12(2.75,-4.05) 25(2.75,4.05) 26(2.25,4.05) 27(1.75,4.05) 28(1.25,4.05) 29(0.75,4.05) 30(0.25,4.05) 31(-0.25,4.05) 32(-0.75,4.05) 33(-1.25,4.05) 34(-1.75,4.05) 35(-2.25,4.05) 36(-2.75,4.05)
  oval 1.8x0.28 smd mask+0.051: 13(4.05,-2.75) 14(4.05,-2.25) 15(4.05,-1.75) 16(4.05,-1.25) 17(4.05,-0.75) 18(4.05,-0.25) 19(4.05,0.25) 20(4.05,0.75) 21(4.05,1.25) 22(4.05,1.75) 23(4.05,2.25) 24(4.05,2.75) 37(-4.05,2.75) 38(-4.05,2.25) 39(-4.05,1.75) 40(-4.05,1.25) 41(-4.05,0.75) 42(-4.05,0.25) 43(-4.05,-0.25) 44(-4.05,-0.75) 45(-4.05,-1.25) 46(-4.05,-1.75) 47(-4.05,-2.25) 48(-4.05,-2.75)
  silkscreen extent -3.6,-4.42 2.75,2.75, body extent -4.5,-4.5 4.5,4.5, height 1.6
MWSA0518 [mm]
  rect 1.9x2.5 smd: 1(-2.05,0) 2(2.05,0)
  silkscreen extent -2.1,-2.2 2.1,2.2, body extent -2.1,-2.2 2.1,2.2, height 1.8
NXE1S0505MC-R7 [mm] "Murata DC DC"
  rect 1x2.3 smd: 1(0,0) 3(2.54,0) 7(7.62,0) 8(7.62,9.398) 14(0,9.398)
  body extent -2.54,-0.38 10.16,10.03, height 4.48
PHOE-8way [mm] "Receptacle, 2-Leads, Body 8.1x10.16mm, Pitch 5.08mm"
  rect 1.8x1.8 hole 1.3: 1(-17.78,0)
  round 1.8 hole 1.3: 2(-12.7,0) 3(-7.62,0) 4(-2.54,0) 5(2.54,0) 6(7.62,0) 7(12.7,0) 8(17.78,0)
  body extent -20.33,-4.05 20.88,4.05, height 10.02
PHOE-1729128-2_V [mm] "Receptacle, 2-Leads, Body 8.1x10.16mm, Pitch 5.08mm"
  rect 1.8x1.8 hole 1.3: 1(-17.78,0)
  round 1.8 hole 1.3: 2(-7.62,0) 3(2.54,0) 4(12.7,0) 5(22.86,0)
  round 0 hole 1.2 unplated: 12(-12.7,0) 13(-2.54,0) 14(7.62,0) 15(17.78,0)
  body extent -20.34,-4 25.95,4.1, height 10.02
Quad176 [mm]
  rect 1.6x0.3 smd: 1(-0.2,0) 2(-0.2,-0.5) 3(-0.2,-1) 4(-0.2,-1.5) 5(-0.2,-2) 6(-0.2,-2.5) 7(-0.2,-3) 8(-0.2,-3.5) 9(-0.2,-4) 10(-0.2,-4.5) 11(-0.2,-5) 12(-0.2,-5.5) 13(-0.2,-6) 14(-0.2,-6.5) 15(-0.2,-7) 16(-0.2,-7.5) 17(-0.2,-8) 18(-0.2,-8.5) 19(-0.2,-9) 20(-0.2,-9.5) 21(-0.2,-10) 22(-0.2,-10.5) 23(-0.2,-11) 24(-0.2,-11.5) 25(-0.2,-12) 26(-0.2,-12.5) 27(-0.2,-13) 28(-0.2,-13.5) 29(-0.2,-14) 30(-0.2,-14.5) 31(-0.2,-15) 32(-0.2,-15.5) 33(-0.2,-16) 34(-0.2,-16.5) 35(-0.2,-17) 36(-0.2,-17.5) 37(-0.2,-18) 38(-0.2,-18.5) 39(-0.2,-19) 40(-0.2,-19.5) 41(-0.2,-20) 42(-0.2,-20.5) 43(-0.2,-21) 44(-0.2,-21.5) 89(25.4,-21.5) 90(25.4,-21) 91(25.4,-20.5) 92(25.4,-20) 93(25.4,-19.5) 94(25.4,-19) 95(25.4,-18.5) 96(25.4,-18) 97(25.4,-17.5) 98(25.4,-17) 99(25.4,-16.5) 100(25.4,-16) 101(25.4,-15.5) 102(25.4,-15) 103(25.4,-14.5) 104(25.4,-14) 105(25.4,-13.5) 106(25.4,-13) 107(25.4,-12.5) 108(25.4,-12) 109(25.4,-11.5) 110(25.4,-11) 111(25.4,-10.5) 112(25.4,-10) 113(25.4,-9.5) 114(25.4,-9) 115(25.4,-8.5) 116(25.4,-8) 117(25.4,-7.5) 118(25.4,-7) 119(25.4,-6.5) 120(25.4,-6) 121(25.4,-5.5) 122(25.4,-5) 123(25.4,-4.5) 124(25.4,-4) 125(25.4,-3.5) 126(25.4,-3) 127(25.4,-2.5) 128(25.4,-2) 129(25.4,-1.5) 130(25.4,-1) 131(25.4,-0.5) 132(25.4,0)
  rect 0.3x1.6 smd: 45(1.85,-23.55) 46(2.35,-23.55) 47(2.85,-23.55) 48(3.35,-23.55) 49(3.85,-23.55) 50(4.35,-23.55) 51(4.85,-23.55) 52(5.35,-23.55) 53(5.85,-23.55) 54(6.35,-23.55) 55(6.85,-23.55) 56(7.35,-23.55) 57(7.85,-23.55) 58(8.35,-23.55) 59(8.85,-23.55) 60(9.35,-23.55) 61(9.85,-23.55) 62(10.35,-23.55) 63(10.85,-23.55) 64(11.35,-23.55) 65(11.85,-23.55) 66(12.35,-23.55) 67(12.85,-23.55) 68(13.35,-23.55) 69(13.85,-23.55) 70(14.35,-23.55) 71(14.85,-23.55) 72(15.35,-23.55) 73(15.85,-23.55) 74(16.35,-23.55) 75(16.85,-23.55) 76(17.35,-23.55) 77(17.85,-23.55) 78(18.35,-23.55) 79(18.85,-23.55) 80(19.35,-23.55) 81(19.85,-23.55) 82(20.35,-23.55) 83(20.85,-23.55) 84(21.35,-23.55) 85(21.85,-23.55) 86(22.35,-23.55) 87(22.85,-23.55) 88(23.35,-23.55) 133(23.35,2.05) 134(22.85,2.05) 135(22.35,2.05) 136(21.85,2.05) 137(21.35,2.05) 138(20.85,2.05) 139(20.35,2.05) 140(19.85,2.05) 141(19.35,2.05) 142(18.85,2.05) 143(18.35,2.05) 144(17.85,2.05) 145(17.35,2.05) 146(16.85,2.05) 147(16.35,2.05) 148(15.85,2.05) 149(15.35,2.05) 150(14.85,2.05) 151(14.35,2.05) 152(13.85,2.05) 153(13.35,2.05) 154(12.85,2.05) 155(12.35,2.05) 156(11.85,2.05) 157(11.35,2.05) 158(10.85,2.05) 159(10.35,2.05) 160(9.85,2.05) 161(9.35,2.05) 162(8.85,2.05) 163(8.35,2.05) 164(7.85,2.05) 165(7.35,2.05) 166(6.85,2.05) 167(6.35,2.05) 168(5.85,2.05) 169(5.35,2.05) 170(4.85,2.05) 171(4.35,2.05) 172(3.85,2.05) 173(3.35,2.05) 174(2.85,2.05) 175(2.35,2.05) 176(1.85,2.05)
  silkscreen extent -1.45,-22.04 23.89,1.45, body extent -0.4,-23.77 25.62,2.25, height 1.65
"RJ45 MagJack" [mm] "Modular Jack Horizontal Shielded 8P8C Tab Down"
  rect 1.4x1.4 hole 0.9: 1(4.445,-6.35)
  round 1.4 hole 0.9: 2(3.175,-8.89) 3(1.905,-6.35) 4(0.635,-8.89) 5(-0.635,-6.35) 6(-1.905,-8.89) 7(-3.175,-6.35) 8(-4.445,-8.89)
  round 1.6 hole 1: 9(6.625,4.9) 10(4.085,4.9) 11(-4.085,4.9) 12(-6.625,4.9)
  round 3.25 hole 3.25: MH1(5.715,0) MH2(-5.715,0)
  round 2.4 hole 1.6: S1(7.75,-3.05) S2(-7.75,-3.05)
  silkscreen extent -7.92,-10.4 7.92,10.8, body extent -7.9,-10.4 7.9,10.8, height 13.7
SC-70-6(SOT-363) [mm]
  rect 1x0.42 smd mask+0.051: 1(-0.97,0.65) 2(-0.97,0) 3(-0.97,-0.65) 4(0.97,-0.65) 5(0.97,0) 6(0.97,0.65)
  silkscreen extent -1.32,-1 0.2,1.53, body extent -1.2,-1.1 1.2,1.1, height 1.1
SMA(DO-214AC)_S1 [mm]
  rect 2x2 smd: 1(2.1,0) 2(-2.1,0)
  silkscreen extent -2.35,-1.5 2.35,1.5
SMB(DO-214AA)_S1 [mm]
  rect 2.159x2.743 smd: 1(2.21,0) 2(-2.21,0)
  silkscreen extent -2.5,-2.1 2.5,2.1
SMD-3225_4P [mm]
  rect 1.4x1.15 smd: 1(-1.1,-0.8) 2(1.1,-0.8) 3(1.1,0.8) 4(-1.1,0.8)
  silkscreen extent -2.1,-2.35 2.1,1.7, body extent -1.6,-1.25 1.6,1.25, height 0.61
SOIC-8_150mil [mm]
  oval 0.7x1.8 smd: 1(-1.905,-2.6) 2(-0.635,-2.6) 3(0.635,-2.6) 4(1.905,-2.6) 5(1.905,2.6) 6(0.635,2.6) 7(-0.635,2.6) 8(-1.905,2.6)
  silkscreen extent -2.9,-3.05 2.4,1.4
SOIC-8_208mil [mm]
  oval 0.7x2.2 smd: 1(-1.905,-3.4) 2(-0.635,-3.4) 3(0.635,-3.4) 4(1.905,-3.4) 5(1.905,3.4) 6(0.635,3.4) 7(-0.635,3.4) 8(-1.905,3.4)
  silkscreen extent -2.95,-3.9 2.5,1.9
SOT-223 [mm]
  rect 2.2x1 smd: 1(3,-2.3) 2(3,0) 3(3,2.3)
  rect 2.2x3.5 smd: 2(-3,0)
  silkscreen extent -1.4,-3 1.4,3, body extent -3.49,-3.24 3.49,3.24, height 1.64
TC2030-MCP-NL#1 [mil]
  round 31 smd: 1(50,-25) 2(50,25) 3(100,-25) 4(100,25) 5(150,-25) 6(150,25)
  round 34 hole 35 unplated: A(0,0) B(200,40) C(200,-40)
  silkscreen extent -25,-65 225,65
TC2030-MCP-NL#2 [mil]
  round 31 smd: 1(50,-25) 2(50,25) 3(100,-25) 4(100,25) 5(150,-25) 6(150,25)
  round 34 hole 35: A(0,0) B(200,40) C(200,-40)
  silkscreen extent -25,-65 225,65
TSSOP-20 [mm]
  oval 0.35x1.5 smd: 1(-2.925,-2.85) 2(-2.275,-2.85) 3(-1.625,-2.85) 4(-0.975,-2.85) 5(-0.325,-2.85) 6(0.325,-2.85) 7(0.975,-2.85) 8(1.625,-2.85) 9(2.275,-2.85) 10(2.925,-2.85) 11(2.925,2.85) 12(2.275,2.85) 13(1.625,2.85) 14(0.975,2.85) 15(0.325,2.85) 16(-0.325,2.85) 17(-0.975,2.85) 18(-1.625,2.85) 19(-2.275,2.85) 20(-2.925,2.85)
  silkscreen extent -3.75,-3.25 3.1,1.8
VDR-10D561K(11D) [mm]
  oval 1.8x1.4 hole 0.9: 1(-3.75,0) 2(3.75,0)
  silkscreen extent -6.5,-2 6,2, body extent -5.86,-1.43 5.56,1.4, height 16.5

## Part data
C100 C101: library part "0805 100nF(104) 10% 50V", "贴片电容", Package=0805, SuppliersPartNumber=C49678, ComponentLink1Description=供应商链接, ComponentLink1URL=http://www.szlcsc.com/product/details_50686.html, Supplier=LC
C102: library part "1206 10uF (106) 10% 50V", "贴片电容", Package=1206, SuppliersPartNumber=C13585, ComponentLink1Description=供应商链接, ComponentLink1URL=http://www.szlcsc.com/product/details_14236.html, Supplier=LC
C103 C104 C501 C503 C505 C507 C508 C509 C510 C511 C512 C513 C514 C515 C516 C517 C804 C806 C807 C809 C810 C811 C812 C813 C814 C815 C816 C817 C818 C819 C820 C821 C822 C823 C824 C825 C826 C900 C901 C902 C903 C904 C905 C906 C908: library part "0402 100nF (104) 10% 16V", "贴片电容", Package=0402, SuppliersPartNumber=C1525, ComponentLink1Description=供应商链接, ComponentLink1URL=http://www.szlcsc.com/product/details_1877.html, Supplier=LC
C105 C108 C112 C114: library part "0603 100nF (104) 10% 50V", "贴片电容", Package=0603, SuppliersPartNumber=C14663, ComponentLink1Description=供应商链接, ComponentLink1URL=http://www.szlcsc.com/product/details_15331.html, Supplier=LC
C106: library part "1206 4.7uF (475) 10% 50V", "贴片电容", Package=1206, SuppliersPartNumber=C29823, ComponentLink1Description=供应商链接, ComponentLink1URL=http://www.szlcsc.com/product/details_30577.html, Supplier=LC
C107 C111 C113 C500 C502 C504 C506 C518 C519 C520 C805 C808: library part "0603 1uF (105) 10% 50V", "贴片电容", Package=0603, SuppliersPartNumber=C15849, ComponentLink1Description=供应商链接, ComponentLink1URL=http://www.szlcsc.com/product/details_16531.html, Supplier=LC
C109 C110: library part "0805 10uF (106) 10% 25V", "贴片电容", Package=0805, SuppliersPartNumber=C15850, ComponentLink1Description=供应商链接, ComponentLink1URL=http://www.szlcsc.com/product/details_16532.html, Supplier=LC
C300 C301 C302 C303 C400 C401 C402 C403 C404 C405 C406 C407: library part "0805 10nF (103) 10% 50V", "贴片电容", Package=0805, SuppliersPartNumber=C1710, ComponentLink1Description=供应商链接, ComponentLink1URL=http://www.szlcsc.com/product/details_2062.html, Supplier=LC
C800 C803: library part "0603 2.2uF (225) 10% 16V", "贴片电容", Package=0603, SuppliersPartNumber=C23630, ComponentLink1Description=供应商链接, ComponentLink1URL=http://www.szlcsc.com/product/details_24366.html, Supplier=LC
C801 C802: library part "0402 15pF (150) 5% 50V", "贴片电容", Package=0402, SuppliersPartNumber=C1548, ComponentLink1Description=供应商链接, ComponentLink1URL=http://www.szlcsc.com/product/details_1900.html, Supplier=LC
C907: library part "0603 10uF (106) 10% 10V", "贴片电容", Package=0603, SuppliersPartNumber=C19702, ComponentLink1Description=供应商链接, ComponentLink1URL=http://www.szlcsc.com/product/details_20411.html, Supplier=LC
D100 D101 D400 D401 D402 D403: library part "SMB/DO-214AA P6SMB6.8CA", "TVS", Package=SMB/DO-214AA, SuppliersPartNumber=C78395, ComponentLink1Description=供应商链接, ComponentLink1URL=http://www.szlcsc.com/product/details_79530.html, Supplier=LC
D102: library part "SMA(DO-214AC) SS54", "二极管", Package=SMA(DO-214AC), SuppliersPartNumber=C22452, ComponentLink1Description=供应商链接, ComponentLink1URL=http://www.szlcsc.com/product/details_23178.html, Supplier=LC
D800 D801: library part "0603 红灯", "发光二极管", Package=0603, SuppliersPartNumber=C2286, ComponentLink1Description=供应商链接, ComponentLink1URL=http://www.szlcsc.com/product/details_2659.html, Supplier=LC
D802 D803: library part "0603 绿灯", "发光二极管", Package=0603, SuppliersPartNumber=C72043, ComponentLink1Description=供应商链接, ComponentLink1URL=http://www.szlcsc.com/product/details_73152.html, Supplier=LC
DC100: library part NXE1S0505MC-R7, "NXE1 1W Isolated DC-DC Converter Surface Mount, Voltage in 4.5 → 5.5 V dc", JLCPCB=NO
F300 F301 F302 F303: "Chip Fuse Fast Blow 500mA 231mΩ 100A AC，50A DC 0.1 2410 Surface Mount Fuses RoHS", JLCPCB=NO, SuppliersPartNo=C311009
FB100: library part "0805 100Ω 25% 100MHz", "贴片磁珠", Package=0805, SuppliersPartNumber=C1015, ComponentLink1Description=供应商链接, ComponentLink1URL=http://www.szlcsc.com/product/details_1367.html, Supplier=LC
FB101 FB102 FB800: library part "0805 600Ω 25% 100MHz", "贴片磁珠", Package=0805, SuppliersPartNumber=C1017, ComponentLink1Description=供应商链接, ComponentLink1URL=http://www.szlcsc.com/product/details_1369.html, Supplier=LC
J100 J400: "8way - 5.08 block", JLCPCB=NO
J300: "5 Way - 10.16 block", JLCPCB=NO
J800: library part AFA07-S10FCC-00, "FPC Contact,Bottom 10 0.039\"（1.00mm） 1.0mm FFC, FPC Connectors RoHS", JLCPCB=NO, SuppliersPartNumber=C52162
J900: "RJ45 12 1 Green - Yellow Through Hole Ethernet Connectors/Modular Connectors (RJ45 RJ11) RoHS", JLCPCB=NO, SuppliersPartNumber=C163507
L100: "POWER INDUCTORS SMD,5.2X5.4X1.8MM ROHS", Current Rating=5.0A, Package=5.2X5.4X1.8MM, SuppliersPartNumber=C408348, ClassName=PowerPads, Supplier=LC
P500 P800: JLCPCB=NO
P801: library part "Header 4X2", "Header, 4-Pin, Dual row", JLCPCB=NO, LatestRevisionDate=17-Jul-2002, LatestRevisionNote="Re-released for DXP Platform.", Publisher="Altium Limited"
R100: library part "0603 0Ω (0R0) 1%", "贴片电阻", Package=0603, SuppliersPartNumber=C21189, ComponentLink1Description=供应商链接, ComponentLink1URL=http://www.szlcsc.com/product/details_21903.html, Supplier=LC
R101 R102 R104 R809 R810 R811 R900 R901 R902 R904 R905 R906 R907 R916: library part "0402 49.9Ω (49R9) 1%", "贴片电阻", Package=0402, SuppliersPartNumber=C25120, ComponentLink1Description=供应商链接, ComponentLink1URL=http://www.szlcsc.com/product/details_25863.html, Supplier=LC
R103 R502 R503 R505 R507 R508 R509 R510 R511 R512 R513 R800 R903 R908 R911 R915: library part "0402 1KΩ (1001) 1%", "贴片电阻", Package=0402, SuppliersPartNumber=C11702, ComponentLink1Description=供应商链接, ComponentLink1URL=http://www.szlcsc.com/product/details_12256.html, Supplier=LC
R105: library part "0805 0Ω (0R0) 1%", "贴片电阻", Package=0805, SuppliersPartNumber=C17477, ComponentLink1Description=供应商链接, ComponentLink1URL=http://www.szlcsc.com/product/details_18165.html, Supplier=LC
R106: library part "0402 100KΩ (1003) 1%", "贴片电阻", Package=0402, SuppliersPartNumber=C25741, ComponentLink1Description=供应商链接, ComponentLink1URL=http://www.szlcsc.com/product/details_26484.html, Supplier=LC
R107: library part "0402 49.9KΩ (4992) 1%", "贴片电阻", Package=0402, SuppliersPartNumber=C25897, ComponentLink1Description=供应商链接, ComponentLink1URL=http://www.szlcsc.com/product/details_26640.html, Supplier=LC
R108: library part "0402 10KΩ (1002) 1%", "贴片电阻", Package=0402, SuppliersPartNumber=C25744, ComponentLink1Description=供应商链接, ComponentLink1URL=http://www.szlcsc.com/product/details_26487.html, Supplier=LC
R300 R301 R303 R304 R306 R307 R309 R310: library part HR2512F560KE04Z, "HIGH VOLTAGE RESISTOR 560KOHMS ±1% 1W 2512 ROHS", SuppliersPartNumber=C175529, Supplier=LCSC
R302 R305 R308 R311 R400 R403 R404 R407 R408 R411 R412 R415: library part "0805 2KΩ (2001) 1%", "贴片电阻", Package=0805, SuppliersPartNumber=C17604, ComponentLink1Description=供应商链接, ComponentLink1URL=http://www.szlcsc.com/product/details_18292.html, Supplier=LC
R401 R402 R405 R406 R409 R410 R413 R414: library part "0603 33Ω (33R0) 1%", "贴片电阻", Package=0603, SuppliersPartNumber=C23140, ComponentLink1Description=供应商链接, ComponentLink1URL=http://www.szlcsc.com/product/details_23867.html, Supplier=LC
R500 R501: library part "0603 47Ω (47R0) 1%", "贴片电阻", Package=0603, SuppliersPartNumber=C23182, ComponentLink1Description=供应商链接, ComponentLink1URL=http://www.szlcsc.com/product/details_23909.html, Supplier=LC
R504 R506 R801 R822: library part "0402 0Ω (0R0) 1%", "贴片电阻", Package=0402, SuppliersPartNumber=C17168, ComponentLink1Description=供应商链接, ComponentLink1URL=http://www.szlcsc.com/product/details_17853.html, Supplier=LC
R802 R803 R804 R806: library part "0402 150Ω (1500) 1%", "贴片电阻", Package=0402, SuppliersPartNumber=C25082, ComponentLink1Description=供应商链接, ComponentLink1URL=http://www.szlcsc.com/product/details_25825.html, Supplier=LC
R805 R807 R808 R813 R814 R818 R819 R820 R821: library part "0402 4.7KΩ (4701) 1%", "贴片电阻", Package=0402, SuppliersPartNumber=C25900, ComponentLink1Description=供应商链接, ComponentLink1URL=http://www.szlcsc.com/product/details_26643.html, Supplier=LC
R812: library part "0402 47Ω (47R0) 1%", "贴片电阻", Package=0402, SuppliersPartNumber=C25118, ComponentLink1Description=供应商链接, ComponentLink1URL=http://www.szlcsc.com/product/details_25861.html, Supplier=LC
R909 R910 R912 R913 R914 R919 R920: library part "0402 2.2KΩ (2201) 1%", "贴片电阻", Package=0402, SuppliersPartNumber=C25879, ComponentLink1Description=供应商链接, ComponentLink1URL=http://www.szlcsc.com/product/details_26622.html, Supplier=LC
R917 R918: library part "0603 330Ω (3300) 1%", "贴片电阻", Package=0603, SuppliersPartNumber=C23138, ComponentLink1Description=供应商链接, ComponentLink1URL=http://www.szlcsc.com/product/details_23865.html, Supplier=LC
R921: library part "0402 470Ω (4700) 1%", "贴片电阻", Package=0402, SuppliersPartNumber=C25117, ComponentLink1Description=供应商链接, ComponentLink1URL=http://www.szlcsc.com/product/details_25860.html, Supplier=LC
U100: library part ADI-ADUMX400-RX-16, "Quad Channel Digital Isolator, 2.5 KV rms Insulation Rating, 10 Mbps Data Rate, 50 ns Delay, Industrial, 16-pin SOIC (RW-16), Tube", Insulation Rating (kVrms)=2.5, Manufacturer="Analog Devices", Max Operating Temp (degreesC)=125, SuppliersPartNumber=C72910, Code_JEDEC=MS-013-AA, ComponentLink1Description="Manufacturer URL", ComponentLink1URL=http://www.analog.com/en/index.html, ComponentLink2Description=Datasheet, ComponentLink2URL=http://www.analog.com/static/imported-files/data_sheets/ADuM1400_1401_1402.pdf, ComponentLink3Description="Package Specification", ComponentLink3URL=http://www.analog.com/static/imported-files/packages/PKG_PDF/SOIC_WIDE%20%28RW%29/RW_16.pdf, ComponentLink4Description="URL Link1", ComponentLink4URL="Product URL:http://www.analog.com/en/interface-isolation/digital-isolators/adum1400/products/product.html", ComponentLink5Description="URL Link2", ComponentLink5URL="Reference Circuit:http://www.analog.com/en/interface-isolation/digital-isolators/adum1400/products/product.html#product-recommendations", DatasheetVersion="Rev. H", Max Data Rate=10Mbps, Mounting Technology="Surface Mount", PackageDescription="16-Pin Standard Small Outline Package, Body 10.3 x 7.5 mm, Pitch 1.27 mm", PackageReference=RW-16, PackageVersion="032707-B, 03/2007", PartNumber=ADUM1400BRWZ
U101: library part SMF05CT1G_[C15879], "TVS", Package=SC-70-6(SOT-363), SuppliersPartNumber=C15879, ComponentLink1Description=供应商链接, ComponentLink1URL=http://www.szlcsc.com/product/details_16561.html, Supplier=LC
U102: library part MP2359, "1.2A, 24V, 1.4MHz STEP-DOWN CONVERTER IN A TSOT23-6", SuppliersPartNumber=C14259, ClassName=PowerPads
U500: library part AD7779ACPZ, "ADC - 8 Channel", JLCPCB=NO, Supplier Part Number 1="element14 APAC - 2576408", Supplier 1=Octopart
U501: library part MCP6002T-I/SN_[C7377], "运放", Package=SOIC-8_150mil, SuppliersPartNumber=C7377, ComponentLink1Description=供应商链接, ComponentLink1URL=http://www.szlcsc.com/product/details_7854.html, Supplier=LC
U502: "ARM", Package=TSSOP-20, SuppliersPartNumber=C32908, ComponentLink1Description=供应商链接, ComponentLink1URL=http://www.szlcsc.com/product/details_33873.html, Supplier=LC
U800: "ST MICROELECTRONICS LQFP-176_24X24X05P ROHS", SuppliersPartNumber=C89597
U801 U802: library part W25Q128JVSIQTR_[C97521], "Flash ROM", Package=SOIC-8, SuppliersPartNumber=C97521, ComponentLink1Description=供应商链接, ComponentLink1URL=https://item.szlcsc.com/98729.html, Supplier=LC
U803: library part BOSC-BMP280-LGA-8, "Digital Pressure Sensor, 1.71 to 3.6 V, -40 to 85 degC, 8-Pin LGA, RoHS, Tape and Reel", Manufacturer="Bosch Sensortec", SuppliersPartNumber=C83291, Datasheet URL=http://datasheet.octopart.com/BMP280-Bosch-datasheet-41546027.pdf, Datasheet Version="Rev. 1.14, 05/2015", Manufacturer URL=http://www.bosch-sensortec.com
U900: library part DP83848CVVX_[C16688], "接口芯片", Package=LQFP-48_7x7x05P, SuppliersPartNumber=C16688, ComponentLink1Description=供应商链接, ComponentLink1URL=http://www.szlcsc.com/product/details_17371.html, Supplier=LC
VR100 VR101 VR102: library part "SOT-223 AMS1117-3.3", "低压差线性稳压(LDO)", Package=SOT-223, SuppliersPartNumber=C6186, ComponentLink1Description=供应商链接, ComponentLink1URL=http://www.szlcsc.com/product/details_6652.html, Supplier=LC
VR300 VR301 VR302 VR303: "460V 920V 2.5KA 560V Through Hole Varistors RoHS", JLCPCB=NO, SuppliersPartNo=C283943
X500: library part O70508192MGDA4SC-1, "SMD OSCILLATORS(XO) 8.192MHZ ±20PPM SMD-7050_4P ROHS", SuppliersPartNumber=C70640
Y800: library part "SMD-3225_4P  25MHZ 12PF 10PPM", "贴片晶振", Package=SMD-3225_4P, SuppliersPartNumber=C9006, ComponentLink1Description=供应商链接, ComponentLink1URL=http://www.szlcsc.com/product/details_9526.html, Supplier=LC

## Via types
v1: diameter 0.55, hole 0.3, Top Layer to Bottom Layer, 330 vias
v2: diameter 1.27, hole 0.5, Top Layer to Bottom Layer, 2 vias